# KiCad board Stream.kicad_pcb (continued)
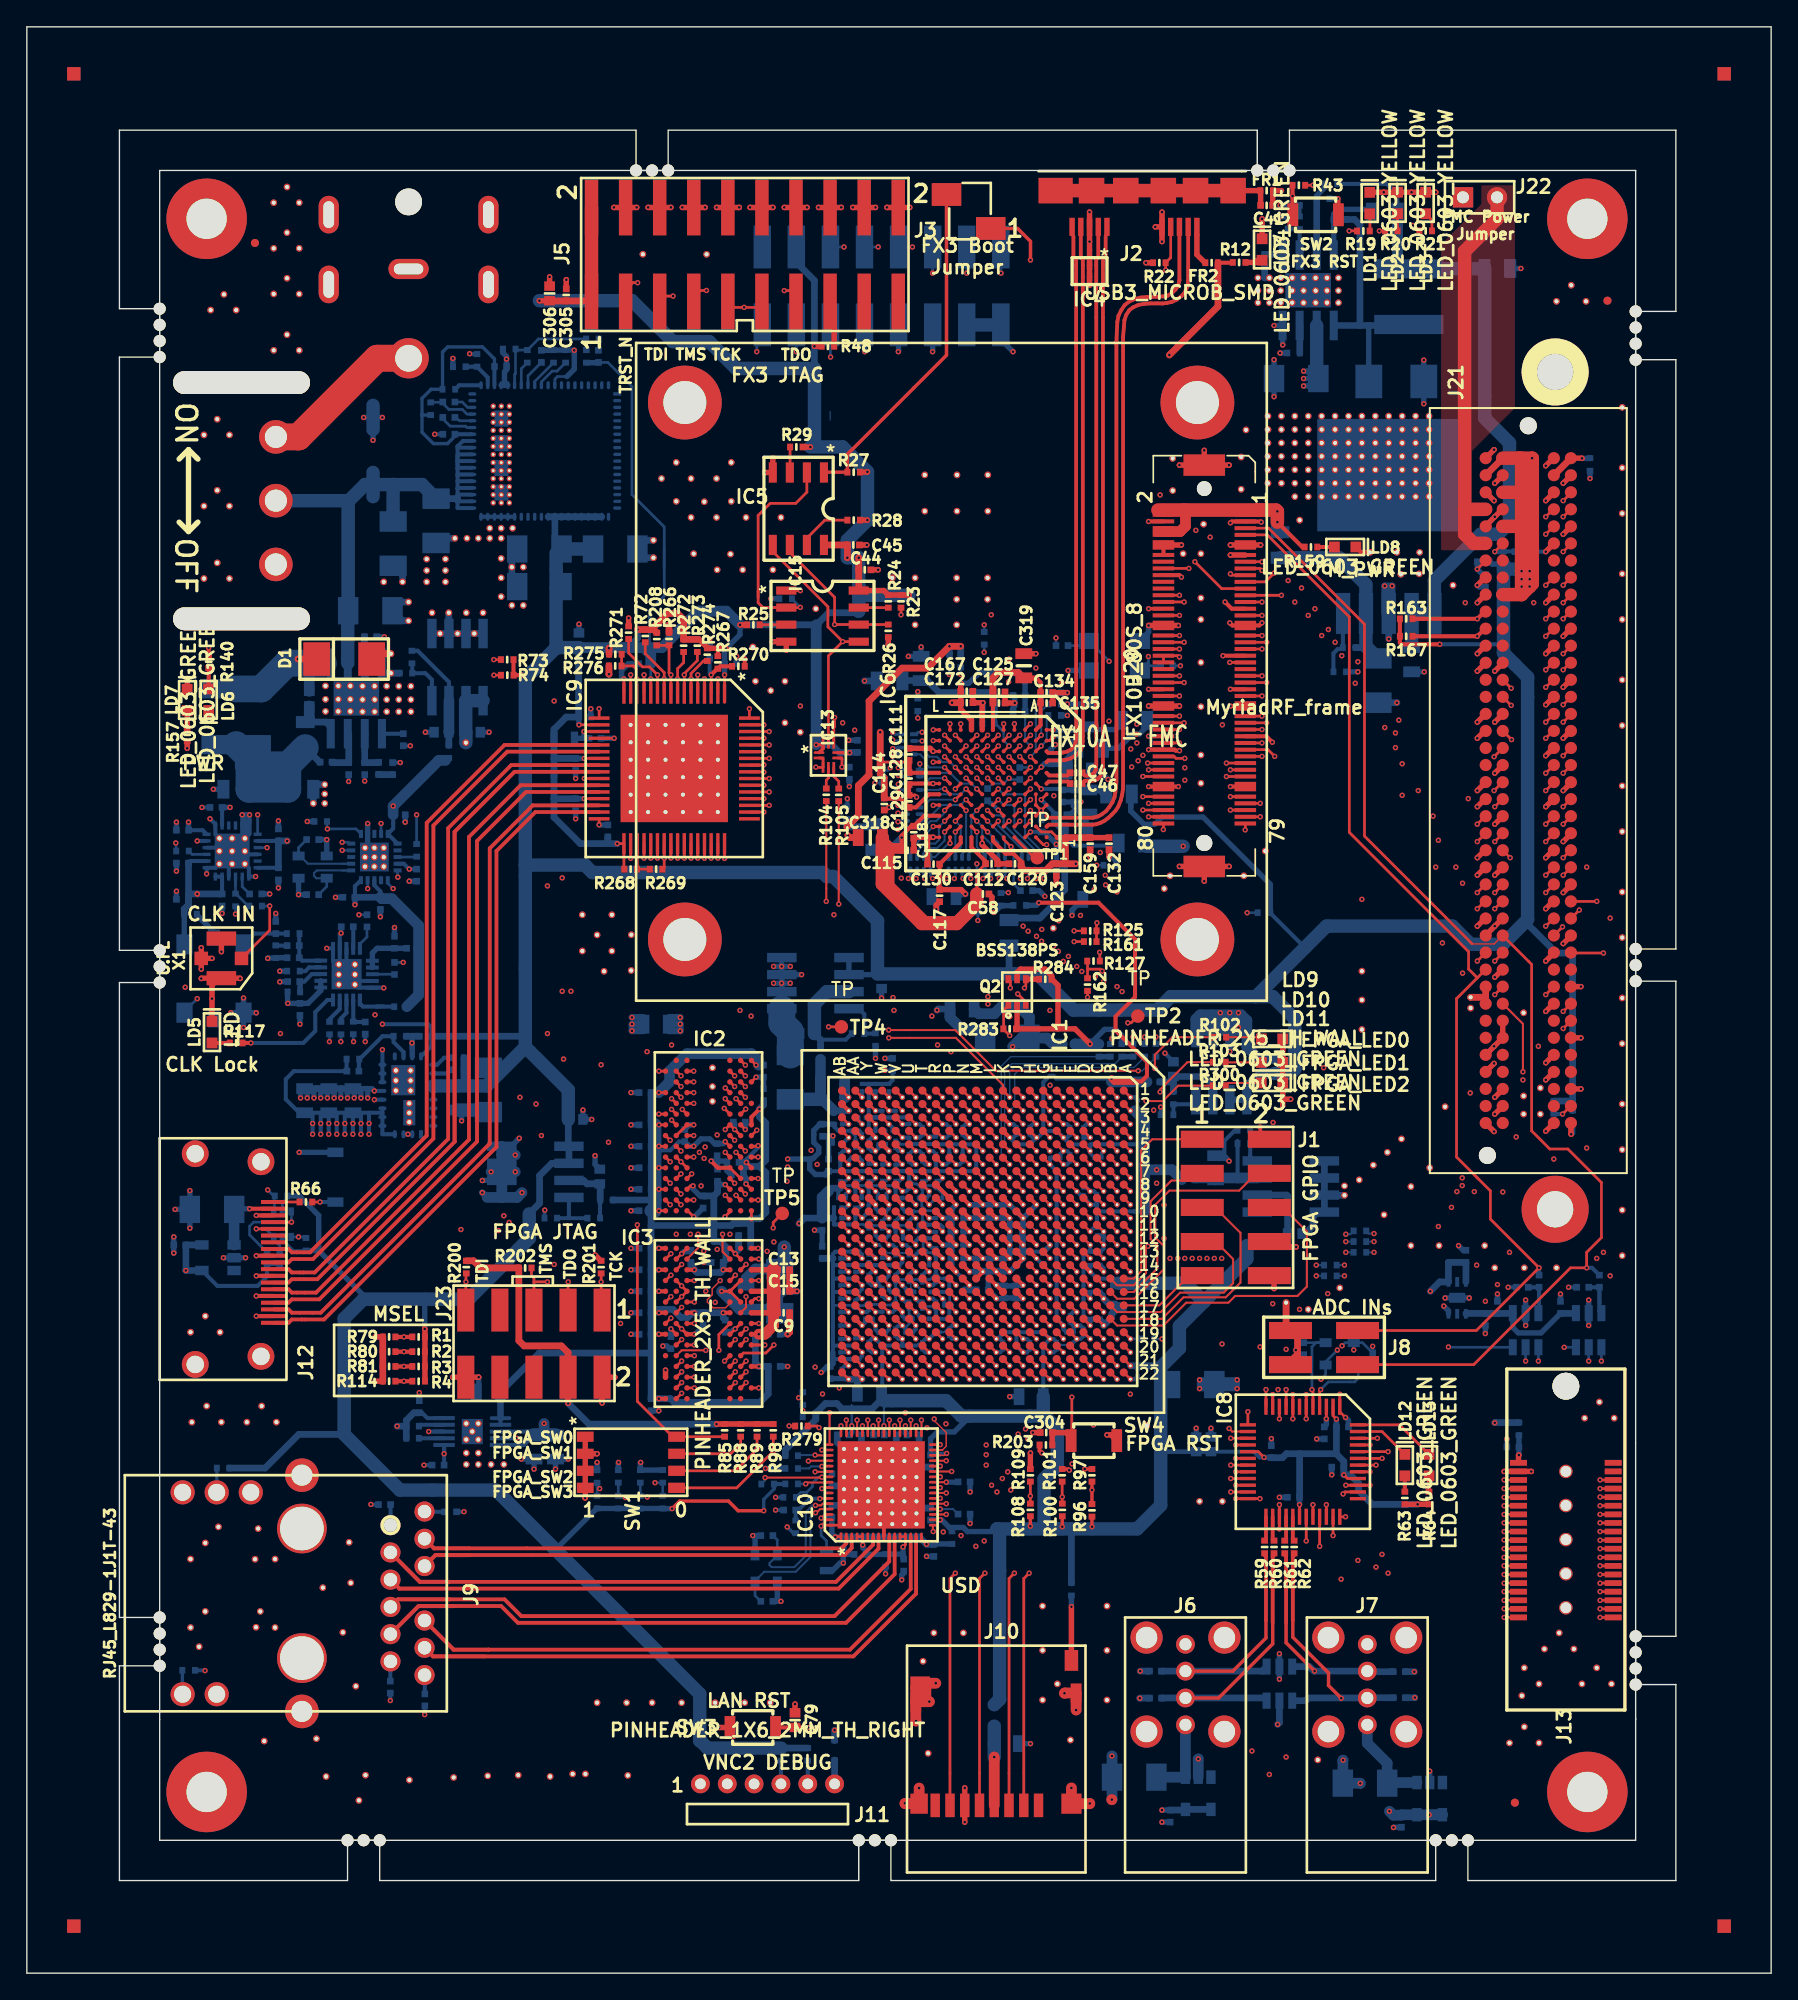
[diagram p0: board, top side]
## Nets (continued)
/FPGA banks 1_4/FX3_CTL5: IC1.P7 R55.7
/FPGA banks 1_4/FX3_CTL6: IC1.M3 R207.6
/FPGA banks 1_4/FX3_CTL7: IC1.L6 R206.6
/FPGA banks 1_4/FX3_CTL8: IC1.N8 R55.8
/FPGA banks 1_4/FX3_CTL9: IC1.M6 R207.8
/FPGA banks 1_4/FX3_CTL10: IC1.N6 R55.5
/FPGA banks 1_4/FX3_CTL11: IC1.N7 R55.6
/FPGA banks 1_4/FX3_CTL12: IC1.N5 R57.2
/FPGA banks 1_4/FX3_DQ0: IC1.P3 R53.8
/FPGA banks 1_4/FX3_DQ1: IC1.N1 R53.7
/FPGA banks 1_4/FX3_DQ2: IC1.M1 R53.5
/FPGA banks 1_4/FX3_DQ3: IC1.P1 R54.6
/FPGA banks 1_4/FX3_DQ4: IC1.P2 R54.5
/FPGA banks 1_4/FX3_DQ5: IC1.N2 R53.6
/FPGA banks 1_4/FX3_DQ6: IC1.P5 R54.8
/FPGA banks 1_4/FX3_DQ7: IC1.P4 R54.7
/FPGA banks 1_4/FX3_DQ8: IC1.T3 R204.8
/FPGA banks 1_4/FX3_DQ9: IC1.R5 R204.7
/FPGA banks 1_4/FX3_DQ10: IC1.U1 R205.5
/FPGA banks 1_4/FX3_DQ11: IC1.U2 R205.8
/FPGA banks 1_4/FX3_DQ12: IC1.V1 R205.6
/FPGA banks 1_4/FX3_DQ13: IC1.V2 R205.7
/FPGA banks 1_4/FX3_DQ14: IC1.R1 R204.6
/FPGA banks 1_4/FX3_DQ15: IC1.R2 R204.5
/FPGA banks 1_4/TCK_FPGA: IC1.L2 J23.1 R201.2
/FPGA banks 1_4/TDI_FPGA: IC1.L5 J23.9 R200.1
/FPGA banks 1_4/TDO_FPGA: IC1.L4 J23.3
/FPGA banks 1_4/TMS_FPGA: IC1.L1 J23.5 R202.1
/FPGA banks 5_8/FPGA_GPIO0: IC1.A15 J1.1
/FPGA banks 5_8/FPGA_GPIO1: IC1.A16 J1.3
/FPGA banks 5_8/FPGA_GPIO2: IC1.A18 J1.5
/FPGA banks 5_8/FPGA_GPIO3: IC1.B17 J1.7
/FPGA banks 5_8/FPGA_GPIO4: IC1.A17 J1.9
/FPGA banks 5_8/FPGA_GPIO5: IC1.B18 J1.6
/FPGA banks 5_8/FPGA_GPIO6: IC1.B16 J1.4
/FPGA banks 5_8/FPGA_GPIO7: IC1.B20 J1.2
/FPGA banks 5_8/Me_D0: IC1.L22 J13.37
/FPGA banks 5_8/Me_D1: IC1.L21 J13.35
/FPGA banks 5_8/Me_D2: IC1.K21 J13.33
/FPGA banks 5_8/Me_D3: IC1.J22 J13.31
/FPGA banks 5_8/Me_D4: IC1.J21 J13.29
/FPGA banks 5_8/Me_D5: IC1.H22 J13.27
/FPGA banks 5_8/Me_D6: IC1.H21 J13.25
/FPGA banks 5_8/Me_D7: IC1.F22 J13.23
/FPGA banks 5_8/Me_D8: IC1.F21 J13.21
/FPGA banks 5_8/Me_D9: IC1.E22 J13.19
/FPGA banks 5_8/Me_D10: IC1.E21 J13.17
/FPGA banks 5_8/Me_D11: IC1.D22 J13.15
/FPGA banks 5_8/Me_D12: IC1.D21 J13.13
/FPGA banks 5_8/Me_D13: IC1.C22 J13.11
/FPGA banks 5_8/Me_D14: IC1.B22 J13.9
/FPGA banks 5_8/Me_D15: IC1.C21 J13.7
/FPGA banks 5_8/Mo_D0: IC1.H20 J13.38
/FPGA banks 5_8/Mo_D1: IC1.F20 J13.36
/FPGA banks 5_8/Mo_D2: IC1.D20 J13.34
/FPGA banks 5_8/Mo_D3: IC1.C20 J13.32
/FPGA banks 5_8/Mo_D4: IC1.K19 J13.30
/FPGA banks 5_8/Mo_D5: IC1.H19 J13.28
/FPGA banks 5_8/Mo_D6: IC1.F19 J13.26
/FPGA banks 5_8/Mo_D7: IC1.H18 J13.24
/FPGA banks 5_8/Mo_D8: IC1.G18 J13.22
/FPGA banks 5_8/Mo_D9: IC1.K18 J13.20
/FPGA banks 5_8/Mo_D10: IC1.J18 J13.18
/FPGA banks 5_8/Mo_D11: IC1.G17 J13.16
/FPGA banks 5_8/Mo_D12: IC1.F17 J13.14
/FPGA banks 5_8/Mo_D13: IC1.K17 J13.12
/FPGA banks 5_8/Mo_D14: IC1.J17 J13.10
/FPGA banks 5_8/Mo_D15: IC1.H17 J13.8
/FPGA banks 5_8/MSEL0: IC1.M17 R1.2 R79.2
/FPGA banks 5_8/MSEL1: IC1.L18 R2.2 R80.2
/FPGA banks 5_8/MSEL2: IC1.L17 R3.2 R81.2
/FPGA banks 5_8/MSEL3: IC1.K20 R4.2 R114.2
/Peripherals/DDC_clock: J12.15 Q1.3 R68.2
/Peripherals/DDC_data: J12.16 Q1.6 R69.2
/Peripherals/TX0+: IC9.25 J12.7
/Peripherals/TX0-: IC9.24 J12.9
/Peripherals/TX1+: IC9.28 J12.4
/Peripherals/TX1-: IC9.27 J12.6
/Peripherals/TX2+: IC9.31 J12.1
/Peripherals/TX2-: IC9.30 J12.3
/Peripherals/TXC+: IC9.22 J12.10
/Peripherals/TXC-: IC9.21 J12.12
/USB 2.0 Host/DM1: C54.1 IC7.6 J6.2 R60.1
/USB 2.0 Host/DM2: C53.1 IC7.4 J7.2 R62.1
/USB 2.0 Host/DP1: C51.1 IC7.1 J6.3 R59.1
/USB 2.0 Host/DP2: C56.1 IC7.3 J7.3 R61.1
/USB 2.0 Host/LED1: IC8.47 LD12.2
/USB 2.0 Host/LED2: IC8.48 LD13.2
/USB 2.0 Host/SD_CLK: IC8.41 J10.5
/USB 2.0 Host/SD_CS: IC8.44 J10.2
/USB 2.0 Host/SD_DETECT: IC8.38 J10.9 R129.2
/USB 2.0 Host/SD_MISO: IC8.43 J10.7
/USB 2.0 Host/SD_MOSI: IC8.42 J10.3
/USB 3.0 Device (FX3)/D+: IC6.A9 J2.3
/USB 3.0 Device (FX3)/D-: IC6.A10 J2.2
/USB 3.0 Device (FX3)/FX3_FLASH1_SNN: IC6.C1 J3.1
/USB 3.0 Device (FX3)/FX3_FLASH2_SNN: IC6.F2 IC15.1 R23.2
/USB 3.0 Device (FX3)/FX3_GPIO0: IC6.K2 J4.5
/USB 3.0 Device (FX3)/FX3_GPIO1: IC6.J4 J4.7
/USB 3.0 Device (FX3)/FX3_GPIO2: IC6.K1 J4.9
/USB 3.0 Device (FX3)/FX3_GPIO3: IC6.J2 J4.11
/USB 3.0 Device (FX3)/FX3_GPIO4: IC6.J1 J4.13
/USB 3.0 Device (FX3)/FX3_GPIO5: IC6.J3 J4.15
/USB 3.0 Device (FX3)/FX3_LED0: IC6.H2 R19.1
/USB 3.0 Device (FX3)/FX3_LED1: IC6.H3 R20.1
/USB 3.0 Device (FX3)/FX3_LED2: IC6.F4 R21.1
/USB 3.0 Device (FX3)/FX3_SPI_MOSI_LS: IC13.4 R104.2
/USB 3.0 Device (FX3)/FX3_SPI_SCK_LS: IC13.5 R105.2
/USB 3.0 Device (FX3)/OTG_ID: IC6.C9 J2.4 R22.1
/USB 3.0 Device (FX3)/SSRX+: IC4.5 IC4.6 IC6.A3 J2.10
/USB 3.0 Device (FX3)/SSRX-: IC4.4 IC4.7 IC6.A4 J2.9
/USB 3.0 Device (FX3)/SSTX+: C47.1 IC4.2 IC4.9 J2.7
/USB 3.0 Device (FX3)/SSTX-: C46.1 IC4.1 IC4.10 J2.6
/USB 3.0 Device (FX3)/TCK_FX3: IC6.F6 J5.9 J5.11
/USB 3.0 Device (FX3)/TDI_FX3: IC6.E7 J5.5
/USB 3.0 Device (FX3)/TDO_FX3: IC6.C10 J5.13
/USB 3.0 Device (FX3)/TMS_FX3: IC6.E8 J5.7
/USB 3.0 Device (FX3)/TRST_N_FX3: IC6.B11 J5.3
ADC3P3V: C170.1 C173.1 C204.1 U8.1 U9.1 U10.1
ADC_SPI_CS0: IC1.F13 U9.6
ADC_SPI_CS1: IC1.B19 U10.6
CLK_FPGA0: IC1.T2 IC11.16 TP4.1
CLK_FPGA1: IC1.AA12 IC11.15 TP5.1
CLK_FPGA2: IC1.A12 IC12.5 TP2.1
CLK_IN: IC12.13 J20.75 R119.1
DDR0_CLKn: IC1.U8 IC2.K8
DDR0_CLKp: IC1.U7 IC2.J8
DDR1_CLKn: IC1.R15 IC3.K8
DDR1_CLKp: IC1.R14 IC3.J8
DDR_0_B0: IC1.V4 IC2.L2 R221.2
DDR_0_B1: IC1.V3 IC2.L3 R222.2
DDR_0_CKE: IC1.R7 IC2.K2 R228.2
DDR_0_LDM: IC1.AA7 IC2.F3 R186.2
DDR_0_LDQS: IC1.AB9 IC2.F7 R184.2
DDR_0_nCAS: IC1.T4 IC2.L7 R224.2
DDR_0_nCS: IC1.R6 IC2.L8 R226.2
DDR_0_nRAS: IC1.T5 IC2.K7 R223.2
DDR_0_nWE: IC1.T7 IC2.K3 R225.2
DDR_0_ODT: IC1.P6 IC2.K9 R227.2
DDR_0_UDM: IC1.V5 IC2.B3 R187.2
DDR_0_UDQS: IC1.V10 IC2.B7 R185.2
DDR_1_B0: IC1.U13 IC3.L2 R256.2
DDR_1_B1: IC1.T13 IC3.L3 R257.2
DDR_1_CKE: IC1.AB10 IC3.K2 R263.2
DDR_1_LDM: IC1.AA16 IC3.F3 R241.2
DDR_1_LDQS: IC1.V13 IC3.F7 R239.2
DDR_1_nCAS: IC1.T10 IC3.L7 R259.2
DDR_1_nCS: IC1.Y8 IC3.L8 R261.2
DDR_1_nRAS: IC1.T11 IC3.K7 R258.2
DDR_1_nWE: IC1.T9 IC3.K3 R260.2
DDR_1_ODT: IC1.T12 IC3.K9 R262.2
DDR_1_UDM: IC1.AA10 IC3.B3 R242.2
DDR_1_UDQS: IC1.Y13 IC3.B7 R240.2
DVI_de: IC1.H8 IC9.2
DVI_hsync: IC1.K8 IC9.4
DVI_htplg: D7.2 IC1.H7 R66.1
DVI_idck_n: IC1.F1 IC9.56
DVI_idck_p: IC1.F2 IC9.57
DVI_msen: IC1.G5 IC9.11 R271.2
DVI_pd: IC1.J3 IC9.10 R72.1
DVI_TX_DDCSCL: IC1.A13 Q1.4 R149.1
DVI_TX_DDCSDA: IC1.A14 Q1.1 R148.1
DVI_vsync: IC1.L8 IC9.5
FCLK1: J20.60 J21.H28 R127.1 R162.1
FCLK2: J20.59 J21.H13 R125.1 R161.2
FMC_I2C_SCL: IC1.G10 J21.C30 R167.2
FMC_I2C_SDA: IC1.G11 J21.C31 R163.2
FPGA_CONF_DONE: IC1.M18 R37.2 R38.1
FPGA_DATA0: IC1.K1 R40.1 R104.1
FPGA_DCLK: IC1.K2 R42.1 R105.1
FPGA_NCONFIG: IC1.K5 R35.2 R41.1
FPGA_NSTATUS: IC1.K6 R36.2 R39.1
FPGA_VCCA: C214.1 C272.1 C273.1 C276.1 C277.1 C303.1 FR21.2 IC1.F18 IC1.G6 IC1.T6 IC1.U18
FX3_ADF_SNN: IC6.C4 R124.1
FX3_CONF_DONE: IC6.E5 R38.2
FX3_DATA0: IC6.D1 R40.2
FX3_DCLK: IC6.D3 R42.2
FX3_FPGA_SNN: IC1.C2 IC6.E1
FX3_GPIO42: IC1.H14 IC6.G2
FX3_GPIO43: IC1.H15 IC6.G3
FX3_GPIO44: IC1.G13 IC6.F3
FX3_NCONFIG: IC6.D2 R41.2
FX3_NSTATUS: IC6.E4 R39.2
FX3_PCLK: IC1.M2 R56.2
FX3_SPI_CS: IC1.J4 IC6.F5
FX3_SPI_MISO: IC1.G15 IC5.2 IC6.C2 IC15.2 R115.1
FX3_SPI_MOSI: IC1.G16 IC5.5 IC6.D5 IC13.9 IC15.5 R123.1
FX3_SPI_SCK: IC1.F11 IC5.6 IC6.D4 IC13.8 IC15.6 R26.1 R122.1
FX3_VCC1P8: C58.1 C112.1 C115.1 C118.1 C318.1 FR18.2 IC6.H11 IC6.L9
FX3_VCC2P5: C131.1 C133.1 C320.1 FR19.2 IC6.E3
FX3_VCC3P3: C125.1 C127.1 C134.1 C135.1 C137.1 C139.1 C319.1 C321.1 FR20.2 IC6.B1 IC6.C11 IC6.E10 IC6.F1
FX3_VDD: C111.1 C114.1 C117.1 C120.1 C123.1 C126.1 C128.1 C129.1 C130.1 C132.1 C159.1 C165.1 C167.1 C168.1 C172.1 C317.1 FR13.2 FR14.2 FR15.2 FR17.2 IC6.B10 IC6.C3 IC6.E9 IC6.F11 IC6.H1 IC6.J11 IC6.L5 IC6.L7
I2C_SCL: IC6.D9 IC11.4 Q2.6 R73.1
I2C_SCL_FPGA: IC1.K7 Q2.1 R283.1
I2C_SDA: IC6.D10 IC11.5 Q2.3 R74.1
I2C_SDA_FPGA: IC1.J7 Q2.4 R284.1
INT_N: IC1.E2 IC10.53 R77.2
IQSEL_Enable1: IC1.B10 J20.19 J21.H26
IQSEL_Enable2: IC1.E10 J20.39 J21.G13
lan_col: IC1.W20 IC10.52
lan_crs: IC1.U20 IC10.49
lan_gtx_clk: IC1.R18 IC10.32
lan_led: IC1.D1 R128.1
LAN_MDC: IC1.G14 IC10.50
LAN_MDIO: IC1.E13 IC10.51 R76.2
LAN_RESET_N: C79.1 IC10.56 R75.1 R279.2 SW3.1
lan_rx_clk: IC1.T21 IC10.48 R96.2 R97.2
lan_rx_dv: IC1.AA21 IC10.45 R106.2 R107.2
lan_rx_er: IC1.U19 IC10.47
lan_tx_clk: IC1.G22 IC10.57
lan_tx_en: IC1.T18 IC10.33
lan_tx_err: IC1.T17 IC10.31
LMS_dio_buff_oe: IC1.C13 J21.C11
LMS_dio_dir_ctrl1: IC1.D13 J21.H8
LMS_dio_dir_ctrl2: IC1.D19 J21.C15
LMS_g_pwr_dwn: IC1.C19 J20.16 J21.D11
LMS_GPIO0: IC1.E14 J20.65 J21.D18
LMS_GPIO1: IC1.E15 J20.67 J21.C19
LMS_GPIO2: IC1.E16 J20.69 J21.C18
LMS_GPIO3: IC1.F15 J20.71 J21.D20
LMS_GPIO4: IC1.F16 J21.D21
LMS_GPIO5: IC1.D17 J21.D23
LMS_GPIO6: IC1.D15 J21.D26
LMS_GPIO7: IC1.C15 J21.D27
LMS_iqsel1_dir: IC1.C17 J21.D15
LMS_iqsel2_dir: IC1.E11 J21.H7
LMS_RESET: IC1.E12 J20.66 R192.1
LMS_RXEN: IC1.G7 J20.80 J21.H14
LMS_SBEN: IC1.A19 R194.2
LMS_SPI_CS: IC1.F9 J20.74 R189.1
LMS_SPI_MISO: IC1.H10 J20.70 R193.1 U9.5 U10.5
LMS_SPI_MOSI: IC1.H11 J20.68 R190.1
LMS_SPI_SCK: IC1.G9 J20.72 R191.1 U9.4 U10.4
LMS_SyntCLK1: IC1.B12 J21.D8
LMS_SyntCLK2: IC1.G21 J21.D9
LMS_TXEN: IC1.C10 J20.79 J21.G27
MCLK1: IC1.A11 J20.64 J21.H25
MCLK2: IC1.B11 J20.61 J21.G12
Me_CLK: IC1.B21 J13.5
MIPI_DATA: IC1.E9 J20.76
MIPI_SCK: IC1.G8 J20.78
Mo_CLK: IC1.H16 J13.6
MyriadPRSNT: IC1.B15 J20.38 J20.40 R147.1
N-0000017: IC1.H5 R102.1
N-0000038: LD9.1 R102.2
N-0000046: IC1.H6 R103.2
N-0000047: LD10.1 R103.1
N-0000081: IC1.E5 R300.1
N-0000082: LD11.1 R300.2
N-0000083: IC1.E6 R161.1
N-0000084: IC1.A20 R279.1
N-0000087: IC1.D7 R162.2
N-00000180: J21.C14 R193.2
N-00000181: J21.D14 R192.2
N-00000183: J21.D24 R194.1
N-00000188: J21.D17 R189.2
N-00000197: J21.G9 R190.2
N-00000199: J21.H11 R191.2
N-00000208: J21.G39 J21.H40 R199.1
N-00000224: J21.D35 R195.2 R196.1
N-00000225: J21.C34 R197.2 R198.1
N-00000229: J21.H1 R146.2
N-00000249: IC5.7 R28.2
N-00000251: IC5.3 R29.2
N-00000253: C47.2 IC6.A5
N-00000255: J5.15 R48.2
N-00000259: IC6.J7 R206.2
N-00000260: IC6.H7 R206.1
N-00000261: IC6.G7 R207.2
N-00000262: IC6.F7 R53.4
N-00000263: IC6.K6 R207.3
N-00000264: IC6.J6 R56.1
N-00000265: IC6.H6 R207.1
N-00000266: IC6.G6 R55.2
N-00000267: IC6.K5 R55.4
N-00000268: IC6.J5 R55.3
N-00000269: IC6.H5 R57.1
N-00000270: IC6.G5 R55.1
N-00000271: IC6.K7 R207.4
N-00000272: IC6.J10 R204.1
N-00000273: IC6.K11 R205.4
N-00000274: IC6.L10 R205.1
N-00000275: IC6.K10 R205.3
N-00000276: IC6.H10 R54.1
N-00000277: IC6.G10 R54.3
N-00000278: IC6.F10 R53.1
N-00000279: IC6.K9 R205.2
N-00000280: IC6.J9 R204.2
N-00000281: IC6.H9 R54.2
N-00000282: IC6.G9 R54.4
N-00000283: IC6.F9 R53.2
N-00000284: IC6.K8 R206.4
N-00000285: IC6.J8 R204.3
N-00000286: IC6.H8 R206.3
N-00000287: IC6.G8 R204.4
N-00000288: IC6.F8 R53.3
N-00000289: IC6.B4 R33.2
N-00000290: IC6.B2 R32.2
N-00000302: IC6.E6 R34.2
N-00000303: C43.2 IC6.C6 XO1.1
N-00000304: C46.2 IC6.A6
N-00000307: IC6.L4 R46.1
N-00000308: LD3.1 R21.2
N-00000310: LD2.1 R20.2
N-00000312: LD1.1 R19.2
N-00000319: IC15.7 R24.2
N-00000320: IC15.3 R25.2
N-00000321: IC6.B3 R31.1
N-00000322: IC6.C8 R30.1
N-00000323: IC6.D11 TP1.1
N-00000325: LD4.1 R12.1
N-00000326: FR2.1 J2.1
N-00000327: C41.1 FR1.1 J2.11
N-00000332: IC6.L8 R47.1
N-00000333: IC6.H4 R45.1
N-00000334: IC6.G4 R44.1
N-00000337: C42.2 IC6.C7 XO1.3
N-00000338: IC5.1 J3.2 R27.2
N-00000339: C48.1 IC6.C5 R43.1 SW2.2
N-00000341: IC8.28 R61.2
N-00000344: IC8.25 R59.2
N-00000345: LD12.1 R63.2
N-00000346: IC8.26 R60.2
N-00000352: C61.2 IC8.5 XO2.3
N-00000354: LD13.1 R64.2
N-00000359: IC8.29 R62.2
N-00000361: C60.2 IC8.4 XO2.1
N-00000363: C63.1 IC8.3
N-00000364: C65.1 J10.4 L1.1
N-00000365: D6.2 J11.6
N-00000366: C50.1 J6.1 U4.1
N-00000370: C52.1 J7.1 U5.1
N-00000372: J12.19 R66.2
N-00000374: IC9.8 R272.1
N-00000375: IC9.7 R273.1
N-00000376: IC9.6 R274.1
N-00000384: C197.1 J12.18 U6.1
N-00000386: C77.1 IC9.19 R65.2
N-00000387: C57.1 J13.1 R58.2
N-00000388: IC9.14 R275.1 R276.1
N-00000390: IC9.9 R208.1 R266.1
N-00000391: IC9.35 R268.1 R269.1
N-00000392: C73.1 IC9.3 R267.1 R270.2
N-00000393: C203.1 R143.1 U10.3
N-00000395: C171.1 R67.1 U9.3
N-00000406: C80.2 IC10.60 XO3.1
N-00000407: C83.2 J9.6
N-00000408: C92.1 FR12.2 IC10.59
N-00000409: C82.2 J9.12
N-00000410: C84.2 J9.1
N-00000411: C85.2 J9.7
N-00000412: C313.1 C314.1 C315.1 FR8.2 IC10.1 IC10.16 IC10.62
N-00000413: C81.2 IC10.61 XO3.3
N-00000416: J9.16 R83.1
N-00000417: J9.14 R128.2
N-00000419: C179.1 C180.1 FR10.1 IC10.4 IC10.5 IC10.12 IC10.13
N-00000420: IC10.63 R82.2
N-00000430: C94.1 R111.2 XO5.1
N-00000431: R117.2 U2.15
N-00000432: C308.1 R122.2 U2.12
N-00000433: LD5.1 R117.1
N-00000434: R120.2 U2.11
N-00000435: R123.2 U2.13
N-00000436: C97.1 R116.2 U2.18
N-00000437: C95.1 C96.1 R111.1 U2.20
N-00000438: C309.2 IC12.15
N-00000439: C311.1 U2.8
N-00000440: R124.2 U2.14
N-00000442: C309.1 U2.5
N-00000443: R121.2 U2.19
N-00000444: C310.1 U2.4
N-00000446: C99.1 IC12.20
N-00000447: C95.2 R112.1
N-00000449: C307.1 FB1.1 U2.6 U2.7
N-00000450: IC11.13 R119.2
N-00000451: IC11.9 R125.2
N-00000452: IC11.19 R127.2
N-00000453: IC12.21 R150.1 R151.2
N-00000456: C219.2 IC11.1 XO4.1
N-00000457: C316.2 IC11.2 XO4.3
N-00000458: R150.2 XO5.4
N-00000461: R118.1 XO5.6
N-00000462: C311.2 R151.1 X1.1
N-00000463: IC12.3 R278.1
N-00000464: IC11.6 R277.1 R278.2
N-00000469: C136.1 C138.1 C212.1 FR16.1 IC6.B6
N-00000472: C122.1 C124.1 FR15.1 IC6.B5
N-00000473: C119.1 C121.1 FR14.1 IC6.A2
N-00000474: C113.1 C116.1 FR13.1 IC6.A7
N-00000476: C178.1 IC18.3 R70.2 R113.1
N-00000477: IC18.4 R5.1 R70.1
N-00000478: IC24.5 R156.1 R158.1
N-00000479: IC16.7 R141.2
N-00000480: IC16.9 R142.2
N-00000481: C141.1 U3.5
N-00000482: C143.1 R131.1 U3.6
N-00000483: C142.1 R131.2
N-00000484: R130.1 U3.3
N-00000485: LD8.1 R159.1
N-00000486: LD7.1 R157.2
N-00000487: C145.1 D2.1 L3.1 R132.1 R145.2
N-00000488: J18.1 SW5.1
N-00000490: C144.2 D1.2 L3.2 U3.1
N-00000491: C144.1 D2.2 U3.8
N-00000492: R132.2 R144.1 U3.7
N-00000493: R49.1 U7.3
N-00000494: C156.1 U7.5
N-00000495: C181.1 IC24.4 R158.2 R160.2
N-00000496: C157.1 R50.2
N-00000497: C160.1 R50.1 U7.6
N-00000498: C161.2 D10.2 L2.2 U7.1
N-00000500: C161.1 D12.2 U7.8
N-00000501: R51.2 R52.1 U7.7
N-00000503: C184.2 IC23.14 R180.2 R181.1
N-00000504: C148.1 IC19.3 R135.2 R137.1
N-00000505: IC23.17 R179.2
N-00000506: C149.1 IC20.3 R136.2 R139.1
N-00000507: IC20.4 R134.1 R136.1
N-00000508: IC22.57 R168.2
N-00000509: C193.1 IC22.52
N-00000510: C183.2 R176.1
N-00000511: C192.1 IC22.54
N-00000512: IC22.58 R164.1 R165.2
N-00000513: IC23.18 R166.1
N-00000514: C193.2 IC22.51
N-00000515: C192.2 IC22.53 R169.1
N-00000516: IC19.4 R133.1 R135.1
N-00000517: IC21.4 R153.1 R154.1
N-00000518: LD6.1 R140.2
N-00000519: C177.1 IC21.3 R154.2 R155.1
N-00000520: IC14.4 R99.1 R280.2
N-00000521: C301.1 IC14.3 R280.1 R281.1
N-00000562: IC22.63 R282.2
N-00000563: C191.1 C194.1 IC22.50 IC22.59 R168.1 R169.2
N-00000564: C190.1 IC22.64
N-00000565: IC22.65 R171.2
N-00000566: IC22.66 R170.1
PRSNT_M2C_L: IC1.K22 J21.H2 R78.1
RSSI_ADC0: J8.4 J20.7 J21.D12 R67.2
RSSI_ADC1: J8.2 J20.9 J21.C10 R143.2
SPI_EN_BRD: IC1.F14 J20.21
TXNRX1: IC1.D6 J20.15 J21.G15
TXNRX2: IC1.B5 J20.13 J21.G21
UART_RXD: IC1.B13 IC8.46
UART_TXD: IC1.B14 IC8.45
USB2_GPIO0: IC8.12 J4.2
USB2_GPIO1: IC8.13 J4.4
USB2_GPIO2: IC8.14 J4.6
VDIO: C253.1 C258.1 C263.1 C268.1 C275.1 IC1.A2 IC1.D5 IC1.D9 IC1.D11 IC1.E8 R199.2 R281.2
VREF_B3_B4: C31.1 C32.1 C33.1 C34.1 C35.1 C36.1 C154.1 C174.1 C185.1 C288.1 C289.1 IC1.AA18 IC1.AB4 IC1.U11 IC1.V9 IC1.V12 IC1.V16 IC1.W14 IC1.Y4 IC2.J2 IC3.J2 IC16.6
VTT_SDRAM: C37.1 C38.1 C39.1 C40.1 C158.1 C163.1 C186.1 C195.1 IC16.3 IC16.5 R6.1 R7.1 R8.1 R9.1 R10.1 R11.1 R13.1 R14.1 R15.1 R16.1 R17.1 R18.1 R71.1 R126.1 R138.1 R152.1 R172.1 R173.1 R174.1 R178.1 R182.1 R183.1 R184.1 R185.1 R186.1 R187.1 R188.1 R209.1 R210.1 R211.1 R212.1 R213.1 R214.1 R215.1 R216.1 R217.1 R218.1 R219.1 R220.1 R221.1 R222.1 R223.1 R224.1 R225.1 R226.1 R227.1 R228.1 R229.1 R230.1 R231.1 R232.1 R233.1 R234.1 R235.1 R236.1 R237.1 R238.1 R239.1 R240.1 R241.1 R242.1 R243.1 R244.1 R245.1 R246.1 R247.1 R248.1 R249.1 R250.1 R251.1 R252.1 R253.1 R254.1 R255.1 R256.1 R257.1 R258.1 R259.1 R260.1 R261.1 R262.1 R263.1

Pads without a net: FD1 1; FD2 1; FD3 1; FD4 1; FD5 1; FD6 1; IC2 A2 A8 E2 E8 L1 R3 R7 R8; IC3 A2 A8 E2 E8 L1 R3 R7 R8; IC6 A11 D6 D7; IC8 7 37; IC9 49; IC10 6 58; IC11 3 8 12 17; IC12 9 10 17; IC22 1 2 3 4 5 6 7 8 9 10 11 12 13 14 15 16 17 18 19 29 30 31 32 55 56 67 69 70 71 72 73 74 75 76; IC23 1 13 21 22 23 24; J4 1; J5 17 19; J10 1 8; J11 2; J12 13 14; J13 2 4; J20 14 20 22 41 42; J21 C2 C3 C6 C7 C22 C23 C26 C27 D1 D4 D5 D29 D30 D31 D33 D34 G2 G3 G6 G7 G10 G34 H4 H5 H10 H34; J23 6 7 8; Pad 1; Pad#2 1; Pad#3 1; Pad#4 1; SW5 3 4 5; U4 3; U5 3; U6 3; U8 2 5; XO5 3

## Via types
v1: diameter 0.4, hole 0.2, Top to Bottom, 1470 vias

## Routing (per net, layer and track width the routed paths; a pad name or vN(x,y) marks a point on that pad's centre or on a via; arc(x,y) is an arc through that point)
12V_FMC: length 31.4
  Top w1: 107.15,109.1 107.15,107.2 107.83,106.52 108.73,106.52 ; 107.15,109.1 107.15,109.06 108.73,109.06 ; 107.15,109.1 107.15,128.28 ; 107.15,128.28 108.4,129.53 ; 107.15,128.28 109.57,130.7 J22.2
+5V_USB: length 56.6
  Top w0.2: v1(73.35,83.93) 72.8,84.47 IC6.E11
  Top w0.3: R12.2 89.86,127.42 FR2.2
  Top w0.5: v1(85.15,120.55) 88.77,124.17 FR2.2
  Inner7.Cu w0.15: 72,92.85 72,85.28 v1(73.35,83.93)
  Inner7.Cu w0.5: v1(85.15,120.55) 82.2,117.6 82.2,110.1 72.35,100.25 72.35,94.25 72,93.9 72,92.85
  Bottom w0.2: C153.1 73.55,81.15 73.55,83.72 v1(73.35,83.93)
/FPGA banks 5_8/VIN_d0: length 28.8
  Top w0.2: v1(89.73,39.85) IC8.15 ; IC1.N19 IC1.N19
  Inner6.Cu w0.1: v1(89.07,46.88) 70.62,46.88 IC1.N19
  Inner4.Cu w0.1: v1(89.73,39.85) 89.07,40.5 89.07,46.1 ; 89.07,46.1 89.07,46.62 ; 89.07,46.1 v1(89.07,46.88)
/FPGA banks 5_8/VIN_d1: length 27.7
  Top w0.2: IC1.N20 IC1.N20 ; v1(90.1,39.35) IC8.16
  Inner6.Cu w0.1: v1(90.1,39.35) 89.3,39.35 89.25,39.4 73.4,39.4 73.35,39.35 v1(71.5,39.35)
  Inner4.Cu w0.1: v1(71.5,39.35) 71.5,42.18 70.62,43.05 70.62,45.88 IC1.N20
/FPGA banks 5_8/VIN_d2: length 33.3
  Top w0.2: v1(90.1,38.35) IC8.18 ; IC1.P16 IC1.P16
  Inner6.Cu w0.1: v1(71.5,38.62) 72.97,38.62 73.5,39.16 88.87,39.16 89.68,38.35 v1(90.1,38.35)
  Inner3.Cu w0.1: v1(71.5,38.62) 70.32,39.8 70.32,43.1 69.88,43.55 69.88,49.62 IC1.P16
/FPGA banks 5_8/VIN_d3: length 33
  Top w0.2: IC1.P17 IC1.P17 ; v1(89.73,37.85) IC8.19
  Inner6.Cu w0.1: v1(89.73,37.85) 89.19,38.38 73.04,38.38 72.51,37.85 v1(71.5,37.85)
  Inner3.Cu w0.1: v1(71.5,37.85) 70.05,39.3 70.05,42.95 69.62,43.38 69.62,48.88 IC1.P17
/FPGA banks 5_8/VIN_d4: length 29.5
  Top w0.2: IC1.M19 IC1.M19 ; IC8.20 v1(90.1,37.35)
  Inner6.Cu w0.1: v1(90.1,37.35) 89.4,37.35 89.15,37.1 73.8,37.1 73.55,37.35 v1(73.1,37.35)
  Inner4.Cu w0.1: IC1.M19 71.88,46.62 71.88,43.7 73.1,42.47 v1(73.1,37.35)
/FPGA banks 5_8/VIN_d5: length 29.6
  Top w0.2: IC1.M20 IC1.M20 ; v1(89.73,36.85) IC8.21
  Inner6.Cu w0.1: 73.53,36.85 v1(89.73,36.85) ; 73.53,36.85 v1(72.7,36.85) ; 73.53,36.85 72.9,36.85
  Inner4.Cu w0.1: IC1.M20 71.62,45.88 71.62,43.47 72.7,42.4 v1(72.7,36.85)
/FPGA banks 5_8/VIN_d6: length 29.5
  Top w0.2: IC1.M21 IC1.M21 ; v1(90.1,36.35) IC8.22
  Inner6.Cu w0.1: v1(90.1,36.35) 89.6,36.35 89.32,36.63 73.09,36.63 72.81,36.35 v1(71.9,36.35)
  Inner4.Cu w0.1: v1(71.9,36.35) 71.9,42.22 70.88,43.25 70.88,44.88 IC1.M21
/FPGA banks 5_8/VIN_d7: length 28.7
  Top w0.2: IC8.23 v1(89.73,35.85) ; IC1.M22 IC1.M22
  Inner6.Cu w0.1: v1(89.73,35.85) 89.15,36.42 73.22,36.42 72.65,35.85 v1(72.3,35.85)
  Inner4.Cu w0.1: v1(72.3,35.85) 72.3,42.3 71.25,43.35 IC1.M22
GND: length 833.4
  Top w0.15: IC6.B7 IC6.B8
  Top w0.2: v1(49.7,56.35) 49.25,56.8 IC2.A7 ; v1(52.03,56.35) 52.4,56.72 IC2.A3 ; 83.6,91.15 v1(83.6,91.15) ; v1(91.93,87.15) 91.92,87.15 J20.73 ; v1(92.05,90.65) 92.05,90.65 J20.63 ; 115.82,73.5 v1(115.82,73.5) ; 115.81,69.69 v1(115.82,69.68) ; v1(98.27,41.4) 97.85,41.82 IC8.1 v1(97.85,43.12) ; 85.82,100.4 v1(85.82,100.4) ; v1(89.7,104.25) 89.8,104.15 J20.17 ; v1(100.3,46.7) 100.29,46.7 ; v1(94.57,46.42) 94.7,46.42 ; R269.2 47.5,82.38 v1(47.5,83.07) IC9.39 ; v1(58.8,89.85) 58.82,89.83 IC13.3 59.34,90.41 59.22,90.53 IC13.2 ; GND_VIA#119.1 60.82,33.38 59.82,33.38 ; IC3.H8 v1(52.8,48) IC3.J7 ; IC3.F2 v1(48.8,50.4) IC3.E3 v1(48.8,51.2) IC3.D2 ; IC2.B2 v1(52.85,57.95) ; v1(93.35,33.1) IC8.27 v1(93.35,34.9) ; IC6.E2 v1(73.2,92.22) ; IC9.40 v1(48,83.08) ; J21.G11 113.81,76 ; IC1.C16 IC1.C16 ; IC9.47 v1(51.5,83.07) ; IC6.L11 v1(67.55,84.62) ; IC9.32 v1(42.65,85.55) ; 109.98,78.57 J21.D13 ; IC2.H2 v1(52.75,62.85) IC2.J3 v1(52.05,62.85) ; IC1.J19 IC1.J19 ; IC1.A1 IC1.A1 ; IC1.T1 IC1.T1 ; IC3.B8 v1(52.8,53.6) IC3.A7 ; 108.73,88.74 108.73,88.72 ; IC9.41 v1(48.5,83.07) ; 115.07,81.12 115.07,81.07 ; IC9.64 v1(53.85,94.2) ; IC1.D8 IC1.D8 ; J21.H30 115.06,100.17 ; J21.D16 109.99,82.38 ; IC9.26 v1(41.55,89) ; IC6.G11 v1(71.2,84.18) ; IC9.44 v1(50,83.07) ; IC1.C9 IC1.C9 ; IC1.T20 IC1.T20 ; J21.D25 110,93.79 ; v1(95.35,41.3) IC8.6 v1(95.35,43.1) ; IC2.F2 v1(52.85,61.15) ; v1(51.78,50.8) IC3.E7 ; IC3.E7 IC3.D8 ; IC3.E7 IC3.F8 ; IC1.AB11 IC1.AB11 ; IC1.AB22 IC1.AB22 ; v1(49.7,63.2) IC2.J7 IC2.H8 ; J21.C24 108.64,92.54 ; IC1.AB12 IC1.AB12 ; IC1.A22 IC1.A22 ; IC9.34 v1(45,83.05) ; IC1.Y5 IC1.Y5 ; IC1.D3 IC1.D3 ; J21.H24 115.05,92.54 ; J21.G5 113.79,68.41 ; v1(98.3,36.35) IC8.39 v1(100.1,36.35) ; IC6.D8 v1(74,87.43) ; IC1.Y20 IC1.Y20 ; IC9.38 v1(47,83.07) ; J21.G29 113.8,98.89 ; IC2.E7 v1(48.75,60.45) IC2.F8 ; IC9.43 v1(49.5,83.07) ; IC9.42 v1(49,83.07) ; J21.C13 108.68,78.57 ; IC3.A3 v1(48.8,53.6) IC3.B2 ; IC3.H2 IC3.J3 v1(48.8,48) ; IC1.F12 IC1.F12 ; 113.81,63.34 113.81,63.33 ; IC1.C11 IC1.C11 ; 108.68,103.97 J21.C33 ; IC9.46 v1(51,83.07) ; J21.H12 115.07,77.28 ; v1(91.9,35.35) IC8.24 v1(90.1,35.35) ; IC1.G20 IC1.G20 ; IC1.Y18 IC1.Y18 ; IC6.A1 v1(76.47,92.62) ; IC1.V18 IC1.V18 ; IC6.A8 v1(75.6,86.62) ; v1(75.6,86.62) IC6.B9 ; v1(75.6,86.62) IC6.B8 ; IC1.V20 IC1.V20 ; J20.77 v1(91.92,86.15) ; IC1.AA11 IC1.AA11 ; J21.H18 115.07,84.88 ; IC1.AA22 IC1.AA22 ; IC1.AB6 IC1.AB6 ; IC2.D2 IC2.E3 ; IC1.W3 IC1.W3 ; 115.07,96.36 115.06,96.36 ; IC1.AA2 IC1.AA2 ; v1(67.55,91.03) IC6.L3 ; J21.G40 113.76,112.86 ; IC9.13 v1(46,96.72) ; J21.G14 113.75,79.84 ; IC9.15 v1(45,96.72) ; J21.G20 113.76,87.47 ; IC6.L2 v1(67.55,91.82) ; J21.H39 115.07,111.58 ; IC1.Y11 IC1.Y11 ; IC9.16 v1(44.5,96.42) ; v1(43.78,92) IC9.20 ; J21.D10 109.96,74.76 ; IC9.45 v1(50.5,83.06) ; J21.D28 110,97.59 ; J21.G8 113.77,72.22 ; J20.58 v1(83.6,92.15) ; IC1.L20 IC1.L20 ; J21.H33 v1(114.5,103.4) ; IC1.P19 IC1.P19 ; v1(94.35,43.1) IC8.8 v1(94.35,41.3) ; IC1.F3 IC1.F3 ; IC1.AB1 IC1.AB1 ; IC1.C18 IC1.C18 ; J21.H36 115.07,107.78 ; J21.C20 108.67,87.47 ; J21.G4 113.8,67.15 ; IC2.N1 v1(54.35,66.75) ; J21.D22 110,90 ; IC1.U3 IC1.U3 ; IC1.Y12 IC1.Y12 ; IC2.B8 v1(48.75,57.25) ; IC3.P9 v1(54.55,43.6) ; J21.C25 108.71,93.81 ; J21.G17 113.75,83.66 ; IC2.D8 v1(48.75,59.55) ; J21.C29 108.69,98.89 ; IC1.Y16 IC1.Y16 ; IC1.H3 IC1.H3 ; J21.C17 108.65,83.66 ; J21.H21 115.07,88.68 ; IC9.17 v1(42.65,94.2) ; IC6.K4 v1(68.4,90.62) ; IC1.E18 IC1.E18 ; IC1.C5 IC1.C5 ; J21.G26 113.79,95.08 ; IC1.R3 IC1.R3 ; IC1.G2 IC1.G2 ; IC1.U5 IC1.U5 ; IC6.L1 v1(67.55,92.62) ; IC9.48 v1(52,83.05) ; 109.95,109.06 110,109.06 ; J21.G38 113.81,110.31 ; IC2.P9 v1(47.1,67.2) ; IC9.37 v1(46.5,83.07) ; IC1.E20 IC1.E20 ; IC1.C12 IC1.C12 ; IC1.Y15 IC1.Y15 ; IC1.F5 IC1.F5 ; J21.C32 108.7,102.7 ; 113.81,106.5 113.81,106.52 ; IC9.36 v1(46,83.07) ; J21.G23 113.77,91.28 ; IC6.L6 v1(67.55,88.62) ; IC1.R11 IC1.R11 ; J21.C16 108.69,82.38 ; IC6.K3 v1(68.4,91.43)